# Allegro board 8880F5-0823_RXTX.brd (continued)
## Routing (per net, layer and track width the routed paths; a pad name or vN(x,y) marks a point on that pad's centre or on a via; arc(x,y) is an arc through that point) (continued)
 ; D118.B9 180.34,77.93 ; D118.B9 179.53,78.74 ; D118.B9 181.15,78.74 ; 322.58,37.29 D104.B7 ; D104.B7 321.77,38.1 ; D104.B7 323.39,38.1 ; 401.32,370.03 D111.B9 ; D111.B9 400.51,370.84 ; D111.B9 402.13,370.84 ; D111.B9 401.32,371.65 ; 324.41,91.44 D301.B8 ; D301.B8 325.12,92.15 ; D301.B8 325.12,90.73 ; D301.B8 325.83,91.44 ; D112.B16 384.35,388.62 ; D112.B16 383.54,387.81 ; D112.B16 382.73,388.62 ; D112.B16 383.54,389.43 ; 90.63,38.1 D132.B3 ; D132.B3 91.44,38.91 ; D132.B3 91.44,37.29 ; D132.B3 92.25,38.1 ; 385.27,38.1 D108.B3 ; D108.B3 386.08,37.29 ; D108.B3 386.08,38.91 ; D108.B3 386.89,38.1 ; 380.19,78.74 D106.B1 ; D106.B1 381,79.55 ; D106.B1 381.81,78.74 ; D106.B1 381,77.93 ; D306.B10 403.86,71.83 ; D306.B10 404.57,71.12 ; D306.B10 403.86,70.41 ; D306.B10 403.15,71.12 ; 160.02,380.19 D431.B17 ; D431.B17 159.21,381 ; D431.B17 160.83,381 ; D431.B17 160.02,381.81 ; D109.A13 391.97,335.28 ; D109.A13 390.35,335.28 ; D109.A13 391.16,334.47 ; D109.A13 391.16,336.09 ; 32.21,99.06 D125.B9 ; D125.B9 33.02,98.25 ; D125.B9 33.83,99.06 ; D125.B9 33.02,99.87 ; 249.33,240.85 SITE1.G2 ; SITE1.G2 249.33,241.81 ; SITE1.G2 248.85,241.33 ; SITE1.G2 249.81,241.33 ; 187.96,90.73 D317.B12 ; D317.B12 188.67,91.44 ; D317.B12 187.96,92.15 ; D317.B12 187.25,91.44 ; 342.09,370.84 D115.B3 ; D115.B3 342.9,370.03 ; D115.B3 343.71,370.84 ; D115.B3 342.9,371.65 ; 415.75,73.66 D106.A15 ; D106.A15 416.56,74.47 ; D106.A15 417.37,73.66 ; 392.89,332.74 D109.A12 ; D109.A12 394.51,332.74 ; D109.A12 393.7,333.55 ; D109.A12 393.7,331.93 ; 337.82,72.85 D102.A13 ; D102.A13 337.01,73.66 ; D102.A13 337.82,74.47 ; D102.A13 338.63,73.66 ; D126.A8 31.29,76.2 ; D126.A8 30.48,77.01 ; D126.A8 30.48,75.39 ; D126.A8 29.67,76.2 ; 177.09,66.04 D318.A8 ; D318.A8 178.51,66.04 ; D318.A8 177.8,65.33 ; D318.A8 177.8,66.75 ; 327.66,77.93 D102.B9 ; D102.B9 328.47,78.74 ; D102.B9 327.66,79.55 ; D102.B9 326.85,78.74 ; 401.32,62.79 D306.A9 ; D306.A9 400.61,63.5 ; D306.A9 402.03,63.5 ; D306.A9 401.32,64.21 ; D129.A3 91.44,94.79 ; D129.A3 92.25,93.98 ; D129.A3 91.44,93.17 ; D129.A3 90.63,93.98 ; D321.A7 248.92,84.53 ; D321.A7 248.92,83.11 ; D321.A7 248.21,83.82 ; D321.A7 249.63,83.82 ; D305.B12 409.65,91.44 ; D305.B12 408.23,91.44 ; D305.B12 408.94,90.73 ; 232.97,63.5 D322.A1 ; D322.A1 233.68,64.21 ; D322.A1 234.39,63.5 ; D321.A5 244.55,83.82 ; D321.A5 243.84,83.11 ; D321.A5 243.13,83.82 ; D321.A5 243.84,84.53 ; D118.B1 160.83,78.74 ; D118.B1 160.02,77.93 ; D118.B1 159.21,78.74 ; D118.B1 160.02,79.55 ; D122.B6 247.19,81.28 ; D122.B6 246.38,80.47 ; D122.B6 245.57,81.28 ; D122.B6 246.38,82.09 ; 271.78,90.73 D321.B16 ; D321.B16 271.07,91.44 ; D321.B16 271.78,92.15 ; D321.B16 272.49,91.44 ; 319.23,35.56 D104.A6 ; D104.A6 320.04,34.75 ; D104.A6 320.85,35.56 ; D104.A6 320.04,36.37 ; DPS8.C15 165.91,410.21 ; DPS8.C15 165.1,411.02 ; DPS8.C15 165.1,409.4 ; DPS8.C15 164.29,410.21 ; D301.B12 335.99,91.44 ; D301.B12 335.28,90.73 ; D301.B12 334.57,91.44 ; D301.B12 335.28,92.15 ; 319.23,353.06 D114.A12 ; D114.A12 320.85,353.06 ; D114.A12 320.04,352.25 ; D114.A12 320.04,353.87 ; D115.B2 346.25,368.3 ; D115.B2 345.44,369.11 ; D115.B2 344.63,368.3 ; D115.B2 345.44,367.49 ; D112.A7 406.4,397.05 ; D112.A7 407.21,396.24 ; D112.A7 405.59,396.24 ; D112.A7 406.4,395.43 ; 124.46,34.75 D132.A16 ; D132.A16 123.65,35.56 ; D132.A16 125.27,35.56 ; D132.A16 124.46,36.37 ; D120.A16 198.93,35.56 ; D120.A16 197.31,35.56 ; D120.A16 198.12,36.37 ; D120.A16 198.12,34.75 ; D127.B10 35.56,61.77 ; D127.B10 34.75,60.96 ; D127.B10 36.37,60.96 ; D127.B10 35.56,60.15 ; D124.A3 239.57,33.02 ; D124.A3 238.76,32.21 ; D124.A3 238.76,33.83 ; D124.A3 237.95,33.02 ; D125.A14 45.72,97.33 ; D125.A14 44.91,96.52 ; D125.A14 45.72,95.71 ; D125.A14 46.53,96.52 ; 340.36,331.93 D113.A4 ; D113.A4 340.36,333.55 ; D113.A4 341.17,332.74 ; D113.A4 339.55,332.74 ; 416.56,67.87 D306.B15 ; D306.B15 417.27,68.58 ; D306.B15 415.85,68.58 ; D306.B15 416.56,69.29 ; D129.B6 99.06,102.41 ; D129.B6 99.06,100.79 ; D129.B6 99.87,101.6 ; D129.B6 98.25,101.6 ; 419.1,60.15 D107.B16 ; D107.B16 419.91,60.96 ; D107.B16 418.29,60.96 ; 335.28,331.93 D113.A6 ; D113.A6 334.47,332.74 ; D113.A6 335.28,333.55 ; D113.A6 336.09,332.74 ; 124.46,75.39 D130.A16 ; D130.A16 125.27,76.2 ; D130.A16 123.65,76.2 ; D130.A16 124.46,77.01 ; D110.A9 401.32,356.41 ; D110.A9 401.32,354.79 ; D110.A9 400.51,355.6 ; D110.A9 402.13,355.6 ; 337.11,68.58 D302.B13 ; D302.B13 337.82,67.87 ; D302.B13 338.53,68.58 ; D302.B13 337.82,69.29 ; D127.B16 50.8,61.77 ; D127.B16 49.99,60.96 ; D127.B16 50.8,60.15 ; D127.B16 51.61,60.96 ; D112.B5 411.48,391.97 ; D112.B5 411.48,390.35 ; D112.B5 412.29,391.16 ; D112.B5 410.67,391.16 ; 25.4,75.39 D126.A6 ; D126.A6 26.21,76.2 ; D126.A6 24.59,76.2 ; D126.A6 25.4,77.01 ; 307.34,77.93 D102.B1 ; D102.B1 307.34,79.55 ; D102.B1 306.53,78.74 ; D102.B1 308.15,78.74 ; 330.95,186.43 SITE4.G19 ; SITE4.G19 331.43,186.91 ; SITE4.G19 331.91,186.43 ; SITE4.G19 331.43,185.95 ; D104.A8 325.93,35.56 ; D104.A8 325.12,34.75 ; D104.A8 324.31,35.56 ; D104.A8 325.12,36.37 ; 24.59,55.88 D127.A6 ; D127.A6 25.4,56.69 ; D127.A6 26.21,55.88 ; D127.A6 25.4,55.07 ; 406.4,375.11 D111.A7 ; D111.A7 406.4,376.73 ; D111.A7 405.59,375.92 ; D111.A7 407.21,375.92 ; D128.B2 16.05,40.64 ; D128.B2 15.24,39.83 ; D128.B2 15.24,41.45 ; D128.B2 14.43,40.64 ; CSDPS425.B6 262.43,342.9 ; CSDPS425.B6 261.62,342.09 ; CSDPS425.B6 261.62,343.71 ; CSDPS425.B6 260.81,342.9 ; 391.16,52.53 D107.A5 ; D107.A5 391.16,54.15 ; D107.A5 390.35,53.34 ; D107.A5 391.97,53.34 ; 42.37,53.34 D127.A13 ; D127.A13 43.18,52.53 ; D127.A13 43.18,54.15 ; D127.A13 43.99,53.34 ; 400.61,68.58 D306.B9 ; D306.B9 401.32,69.29 ; D306.B9 402.03,68.58 ; D306.B9 401.32,67.87 ; 159.31,83.82 D317.A1 ; D317.A1 160.73,83.82 ; D317.A1 160.02,84.53 ; D317.A1 160.02,83.11 ; 250.75,91.44 D321.B8 ; D321.B8 251.46,90.73 ; D321.B8 252.17,91.44 ; D321.B8 251.46,92.15 ; D108.B8 398.78,41.45 ; D108.B8 397.97,40.64 ; D108.B8 399.59,40.64 ; D108.B8 398.78,39.83 ; 387.81,76.2 D106.A4 ; D106.A4 389.43,76.2 ; D106.A4 388.62,77.01 ; D106.A4 388.62,75.39 ; D318.B15 196.29,68.58 ; D318.B15 195.58,69.29 ; D318.B15 194.87,68.58 ; D318.B15 195.58,67.87 ; 380.29,63.5 D306.A1 ; D306.A1 381.71,63.5 ; D306.A1 381,64.21 ; DPS2.A01 348.79,415.29 ; DPS2.A01 347.98,414.48 ; DPS2.A01 347.17,415.29 ; DPS2.A01 347.98,416.1 ; 175.26,370.03 D231.B11 ; D231.B11 175.26,371.65 ; D231.B11 176.07,370.84 ; D231.B11 174.45,370.84 ; DPS1.C15 417.37,19.05 ; DPS1.C15 416.56,19.86 ; DPS1.C15 416.56,18.24 ; DPS1.C15 415.75,19.05 ; 325.12,331.93 D113.A10 ; D113.A10 325.12,333.55 ; D113.A10 325.93,332.74 ; D113.A10 324.31,332.74 ; 333.33,247.45 SITE2.G12 ; SITE2.G12 332.85,247.93 ; SITE2.G12 333.33,248.41 ; SITE2.G12 333.81,247.93 ; D109.A5 412.29,335.28 ; D109.A5 411.48,334.47 ; D109.A5 411.48,336.09 ; D109.A5 410.67,335.28 ; D124.B4 241.3,41.45 ; D124.B4 241.3,39.83 ; D124.B4 240.49,40.64 ; D124.B4 242.11,40.64 ; 311.61,415.29 DPS2.A15 ; DPS2.A15 312.42,416.1 ; DPS2.A15 312.42,414.48 ; DPS2.A15 313.23,415.29 ; 331.93,335.28 D113.A7 ; D113.A7 332.74,334.47 ; D113.A7 332.74,336.09 ; D113.A7 333.55,335.28 ; D107.B14 414.02,61.77 ; D107.B14 413.21,60.96 ; D107.B14 414.02,60.15 ; D107.B14 414.83,60.96 ; D317.B3 165.1,89.61 ; D317.B3 164.39,88.9 ; D317.B3 165.1,88.19 ; D317.B3 165.81,88.9 ; 169.47,68.58 D318.B5 ; D318.B5 170.18,67.87 ; D318.B5 170.18,69.29 ; D318.B5 170.89,68.58 ; D110.B7 406.4,351.33 ; D110.B7 406.4,349.71 ; D110.B7 407.21,350.52 ; D110.B7 405.59,350.52 ; D129.B7 101.6,99.87 ; D129.B7 102.41,99.06 ; D129.B7 100.79,99.06 ; D129.B7 101.6,98.25 ; 182.07,342.9 CSDPS429.B8 ; CSDPS429.B8 183.69,342.9 ; CSDPS429.B8 182.88,343.71 ; CSDPS429.B8 182.88,342.09 ; D120.A7 175.26,33.83 ; D120.A7 175.26,32.21 ; D120.A7 174.45,33.02 ; D120.A7 176.07,33.02 ; CSDPS425.B10 252.27,342.9 ; CSDPS425.B10 250.65,342.9 ; CSDPS425.B10 251.46,343.71 ; CSDPS425.B10 251.46,342.09 ; 184.61,38.1 D120.B11 ; D120.B11 185.42,38.91 ; D120.B11 185.42,37.29 ; D120.B11 186.23,38.1 ; 99.06,39.83 D132.B6 ; D132.B6 99.87,40.64 ; D132.B6 99.06,41.45 ; D132.B6 98.25,40.64 ; 335.28,70.41 D302.B12 ; D302.B12 334.57,71.12 ; D302.B12 335.99,71.12 ; D302.B12 335.28,71.83 ; D128.B14 45.72,41.45 ; D128.B14 45.72,39.83 ; D128.B14 44.91,40.64 ; D128.B14 46.53,40.64 ; D128.A14 46.53,35.56 ; D128.A14 45.72,34.75 ; D128.A14 44.91,35.56 ; D128.A14 45.72,36.37 ; 246.38,34.75 D124.A6 ; D124.A6 245.57,35.56 ; D124.A6 247.19,35.56 ; D124.A6 246.38,36.37 ; 331.93,355.6 D114.A7 ; D114.A7 332.74,356.41 ; D114.A7 333.55,355.6 ; D114.A7 332.74,354.79 ; 342.09,38.1 D104.B15 ; D104.B15 343.71,38.1 ; D104.B15 342.9,37.29 ; D431.B16 162.56,379.27 ; D431.B16 161.75,378.46 ; D431.B16 162.56,377.65 ; D431.B16 163.37,378.46 ; D129.A15 122.73,93.98 ; D129.A15 121.92,93.17 ; D129.A15 121.92,94.79 ; D129.A15 121.11,93.98 ; 387.91,71.12 D306.B4 ; D306.B4 389.33,71.12 ; D306.B4 388.62,70.41 ; SITE4.G4 331.33,181.81 ; SITE4.G4 330.85,181.33 ; SITE4.G4 331.81,181.33 ; SITE4.G4 331.33,180.85 ; 337.01,33.02 D104.A13 ; D104.A13 338.63,33.02 ; D104.A13 337.82,32.21 ; D104.A13 337.82,33.83 ; 397.97,327.66 D109.B10 ; D109.B10 398.78,328.47 ; D109.B10 398.78,326.85 ; D109.B10 399.59,327.66 ; 123.65,81.28 D130.B16 ; D130.B16 124.46,82.09 ; D130.B16 125.27,81.28 ; D130.B16 124.46,80.47 ; 330.2,352.25 D114.A8 ; D114.A8 329.39,353.06 ; D114.A8 331.01,353.06 ; D114.A8 330.2,353.87 ; S4_I2C.4 518.92,204.39 ; S4_I2C.4 518.92,202.51 ; S4_I2C.4 519.86,203.45 ; S4_I2C.4 517.98,203.45 ; 410.67,375.92 D111.A5 ; D111.A5 411.48,376.73 ; D111.A5 412.29,375.92 ; D111.A5 411.48,375.11 ; D305.B13 411.48,89.61 ; D305.B13 410.77,88.9 ; D305.B13 411.48,88.19 ; D305.B13 412.19,88.9 ; D115.A8 331.01,373.38 ; D115.A8 329.39,373.38 ; D115.A8 330.2,374.19 ; D115.A8 330.2,372.57 ; D109.A1 422.45,335.28 ; D109.A1 420.83,335.28 ; D109.A1 421.64,334.47 ; D109.A1 421.64,336.09 ; D103.A9 327.66,54.15 ; D103.A9 328.47,53.34 ; D103.A9 326.85,53.34 ; D103.A9 327.66,52.53 ; D115.B14 314.96,369.11 ; D115.B14 314.96,367.49 ; D115.B14 314.15,368.3 ; D115.B14 315.77,368.3 ; D104.A16 346.25,35.56 ; D104.A16 345.44,36.37 ; D104.A16 345.44,34.75 ; D104.A16 344.63,35.56 ; 319.23,81.28 D102.B6 ; D102.B6 320.04,80.47 ; D102.B6 320.04,82.09 ; D102.B6 320.85,81.28 ; D118.A3 165.91,73.66 ; D118.A3 164.29,73.66 ; D118.A3 165.1,72.85 ; D118.A3 165.1,74.47 ; 195.58,57.61 D119.B15 ; D119.B15 195.58,59.23 ; D119.B15 196.39,58.42 ; D119.B15 194.77,58.42 ; 312.42,370.03 D115.B15 ; D115.B15 311.61,370.84 ; D115.B15 313.23,370.84 ; D115.B15 312.42,371.65 ; 187.15,373.38 D231.A6 ; D231.A6 187.96,374.19 ; D231.A6 188.77,373.38 ; D231.A6 187.96,372.57 ; D322.A15 269.24,64.21 ; D322.A15 269.95,63.5 ; D322.A15 268.53,63.5 ; D322.A15 269.24,62.79 ; 88.9,60.15 D131.B2 ; D131.B2 88.09,60.96 ; D131.B2 88.9,61.77 ; D131.B2 89.71,60.96 ; D107.A7 396.24,54.15 ; D107.A7 395.43,53.34 ; D107.A7 396.24,52.53 ; D107.A7 397.05,53.34 ; 179.63,83.82 D317.A9 ; D317.A9 180.34,83.11 ; D317.A9 181.05,83.82 ; D317.A9 180.34,84.53 ; D111.A12 394.51,373.38 ; D111.A12 392.89,373.38 ; D111.A12 393.7,374.19 ; D111.A12 393.7,372.57 ; 397.97,332.74 D109.A10 ; D109.A10 398.78,331.93 ; D109.A10 399.59,332.74 ; D109.A10 398.78,333.55 ; D106.B10 404.67,81.28 ; D106.B10 403.86,80.47 ; D106.B10 403.05,81.28 ; D106.B10 403.86,82.09 ; 20.32,75.39 D126.A4 ; D126.A4 21.13,76.2 ; D126.A4 20.32,77.01 ; D126.A4 19.51,76.2 ; 406.4,57.61 D107.B11 ; D107.B11 406.4,59.23 ; D107.B11 407.21,58.42 ; D107.B11 405.59,58.42 ; 95.71,93.98 D129.A5 ; D129.A5 97.33,93.98 ; D129.A5 96.52,93.17 ; D129.A5 96.52,94.79 ; 322.58,32.21 D104.A7 ; D104.A7 323.39,33.02 ; D104.A7 321.77,33.02 ; D104.A7 322.58,33.83 ; D120.B4 167.64,41.45 ; D120.B4 168.45,40.64 ; D120.B4 167.64,39.83 ; D120.B4 166.83,40.64 ; D120.A1 160.02,33.83 ; D120.A1 160.02,32.21 ; D120.A1 160.83,33.02 ; D120.A1 159.21,33.02 ; D431.A1 200.66,386.89 ; D431.A1 201.47,386.08 ; D431.A1 200.66,385.27 ; D431.A1 199.85,386.08 ; 119.38,34.75 D132.A14 ; D132.A14 120.19,35.56 ; D132.A14 118.57,35.56 ; D132.A14 119.38,36.37 ; D122.A9 254.81,73.66 ; D122.A9 253.19,73.66 ; D122.A9 254,72.85 ; D122.A9 254,74.47 ; SITE4.G20 332.63,186.91 ; SITE4.G20 332.63,185.95 ; SITE4.G20 333.11,186.43 ; SITE4.G20 332.15,186.43 ; D103.A12 335.28,56.69 ; D103.A12 336.09,55.88 ; D103.A12 335.28,55.07 ; D103.A12 334.47,55.88 ; 249.85,241.33 SITE1.G3 ; SITE1.G3 250.33,241.81 ; SITE1.G3 250.33,240.85 ; SITE1.G3 250.81,241.33 ; 162.56,382.73 D431.A16 ; D431.A16 161.75,383.54 ; D431.A16 162.56,384.35 ; D431.A16 163.37,383.54 ; 180.34,375.11 D231.A9 ; D231.A9 179.53,375.92 ; D231.A9 181.15,375.92 ; D231.A9 180.34,376.73 ; 408.13,40.64 D108.B12 ; D108.B12 408.94,39.83 ; D108.B12 409.75,40.64 ; D108.B12 408.94,41.45 ; SITE2.G14 330.71,242.83 ; SITE2.G14 330.23,242.35 ; SITE2.G14 329.75,242.83 ; SITE2.G14 330.23,243.31 ; 166.93,71.12 D318.B4 ; D318.B4 167.64,70.41 ; D318.B4 168.35,71.12 ; D318.B4 167.64,71.83 ; D318.A5 170.18,64.21 ; D318.A5 170.89,63.5 ; D318.A5 169.47,63.5 ; D113.B12 320.04,328.47 ; D113.B12 320.85,327.66 ; D113.B12 319.23,327.66 ; D113.B12 320.04,326.85 ; 326.95,83.82 D301.A9 ; D301.A9 327.66,84.53 ; D301.A9 328.37,83.82 ; D301.A9 327.66,83.11 ; SITE2.G19 331.43,246.91 ; SITE2.G19 331.43,245.95 ; SITE2.G19 330.95,246.43 ; SITE2.G19 331.91,246.43 ; 232.97,83.82 D321.A1 ; D321.A1 234.39,83.82 ; D321.A1 233.68,83.11 ; D321.A1 233.68,84.53 ; 307.34,52.53 D103.A1 ; D103.A1 308.15,53.34 ; D103.A1 307.34,54.15 ; D103.A1 306.53,53.34 ; 398.07,91.44 D305.B8 ; D305.B8 398.78,90.73 ; D305.B8 399.49,91.44 ; D122.B3 239.57,78.74 ; D122.B3 238.76,77.93 ; D122.B3 238.76,79.55 ; D122.B3 237.95,78.74 ; 263.35,33.02 D124.A13 ; D124.A13 264.97,33.02 ; D124.A13 264.16,33.83 ; D124.A13 264.16,32.21 ; 182.88,39.83 D120.B10 ; D120.B10 183.69,40.64 ; D120.B10 182.88,41.45 ; D120.B10 182.07,40.64 ; D123.B10 256.54,61.77 ; D123.B10 255.73,60.96 ; D123.B10 257.35,60.96 ; D123.B10 256.54,60.15 ; 113.49,81.28 D130.B12 ; D130.B12 114.3,80.47 ; D130.B12 114.3,82.09 ; D130.B12 115.11,81.28 ; D113.A8 330.2,333.55 ; D113.A8 329.39,332.74 ; D113.A8 330.2,331.93 ; D113.A8 331.01,332.74 ; D115.A11 322.58,376.73 ; D115.A11 321.77,375.92 ; D115.A11 322.58,375.11 ; D115.A11 323.39,375.92 ; 116.84,93.17 D129.A13 ; D129.A13 116.03,93.98 ; D129.A13 117.65,93.98 ; D129.A13 116.84,94.79 ; 37.29,99.06 D125.B11 ; D125.B11 38.91,99.06 ; D125.B11 38.1,98.25 ; D125.B11 38.1,99.87 ; 232.87,78.74 D122.B1 ; D122.B1 233.68,79.55 ; D122.B1 233.68,77.93 ; D122.B1 234.49,78.74 ; D109.B16 384.35,327.66 ; D109.B16 383.54,326.85 ; D109.B16 383.54,328.47 ; D109.B16 382.73,327.66 ; 330.2,90.73 D301.B10 ; D301.B10 330.2,92.15 ; D301.B10 329.49,91.44 ; D301.B10 330.91,91.44 ; 327.66,349.71 D114.B9 ; D114.B9 326.85,350.52 ; D114.B9 327.66,351.33 ; D114.B9 328.47,350.52 ; D123.A13 264.16,54.15 ; D123.A13 264.16,52.53 ; D123.A13 264.97,53.34 ; D123.A13 263.35,53.34 ; D119.A14 193.04,56.69 ; D119.A14 192.23,55.88 ; D119.A14 193.04,55.07 ; D119.A14 193.85,55.88 ; D110.A5 411.48,356.41 ; D110.A5 411.48,354.79 ; D110.A5 410.67,355.6 ; D110.A5 412.29,355.6 ; 269.24,72.85 D122.A15 ; D122.A15 268.43,73.66 ; D122.A15 269.24,74.47 ; D122.A15 270.05,73.66 ; SITE2.G18 330.71,246.43 ; SITE2.G18 330.23,246.91 ; SITE2.G18 329.75,246.43 ; SITE2.G18 330.23,245.95 ; 34.75,81.28 D126.B10 ; D126.B10 36.37,81.28 ; D126.B10 35.56,80.47 ; D126.B10 35.56,82.09 ; D128.B8 30.48,41.45 ; D128.B8 31.29,40.64 ; D128.B8 29.67,40.64 ; D128.B8 30.48,39.83 ; 329.33,187.45 SITE4.G8 ; SITE4.G8 328.85,187.93 ; SITE4.G8 329.33,188.41 ; SITE4.G8 329.81,187.93 ; D129.B1 87.17,99.06 ; D129.B1 86.36,99.87 ; D129.B1 86.36,98.25 ; D129.B1 85.55,99.06 ; 266.7,90.73 D321.B14 ; D321.B14 265.99,91.44 ; D321.B14 267.41,91.44 ; D321.B14 266.7,92.15 ; 166.83,76.2 D118.A4 ; D118.A4 167.64,75.39 ; D118.A4 168.45,76.2 ; D118.A4 167.64,77.01 ; 400.51,350.52 D110.B9 ; D110.B9 402.13,350.52 ; D110.B9 401.32,349.71 ; D110.B9 401.32,351.33 ; 90.63,53.34 D131.A3 ; D131.A3 91.44,52.53 ; D131.A3 92.25,53.34 ; D131.A3 91.44,54.15 ; 93.98,39.83 D132.B4 ; D132.B4 93.98,41.45 ; D132.B4 93.17,40.64 ; D132.B4 94.79,40.64 ; 167.64,65.33 D318.A4 ; D318.A4 167.64,66.75 ; D318.A4 166.93,66.04 ; D318.A4 168.35,66.04 ; 309.88,70.41 D302.B2 ; D302.B2 309.88,71.83 ; D302.B2 309.17,71.12 ; D302.B2 310.59,71.12 ; DPS2.C15 313.23,410.21 ; DPS2.C15 312.42,411.02 ; DPS2.C15 311.61,410.21 ; DPS2.C15 312.42,409.4 ; D130.A13 117.65,73.66 ; D130.A13 116.84,74.47 ; D130.A13 116.03,73.66 ; D130.A13 116.84,72.85 ; 29.67,96.52 D125.A8 ; D125.A8 31.29,96.52 ; D125.A8 30.48,97.33 ; D125.A8 30.48,95.71 ; D124.A14 266.7,36.37 ; D124.A14 267.51,35.56 ; D124.A14 266.7,34.75 ; D124.A14 265.89,35.56 ; D125.B8 31.29,101.6 ; D125.B8 30.48,102.41 ; D125.B8 30.48,100.79 ; D125.B8 29.67,101.6 ; 385.27,330.2 D109.B15 ; D109.B15 386.08,331.01 ; D109.B15 386.08,329.39 ; D109.B15 386.89,330.2 ; D305.A15 416.56,84.53 ; D305.A15 417.27,83.82 ; D305.A15 416.56,83.11 ; D305.A15 415.85,83.82 ; 177.8,60.15 D119.B8 ; D119.B8 178.61,60.96 ; D119.B8 176.99,60.96 ; D119.B8 177.8,61.77 ; 335.28,65.33 D302.A12 ; D302.A12 335.99,66.04 ; D302.A12 334.57,66.04 ; D302.A12 335.28,66.75 ; D112.A11 397.05,396.24 ; D112.A11 396.24,397.05 ; D112.A11 396.24,395.43 ; D112.A11 395.43,396.24 ; D126.A3 18.59,73.66 ; D126.A3 17.78,74.47 ; D126.A3 17.78,72.85 ; D126.A3 16.97,73.66 ; D130.B1 87.17,78.74 ; D130.B1 86.36,79.55 ; D130.B1 86.36,77.93 ; D130.B1 85.55,78.74 ; D109.B12 394.51,327.66 ; D109.B12 393.7,328.47 ; D109.B12 392.89,327.66 ; D109.B12 393.7,326.85 ; D123.A7 248.92,54.15 ; D123.A7 248.11,53.34 ; D123.A7 249.73,53.34 ; D123.A7 248.92,52.53 ; 401.32,72.85 D106.A9 ; D106.A9 401.32,74.47 ; D106.A9 402.13,73.66 ; D106.A9 400.51,73.66 ; 16.97,53.34 D127.A3 ; D127.A3 17.78,52.53 ; D127.A3 17.78,54.15 ; D127.A3 18.59,53.34 ; 192.23,60.96 D119.B14 ; D119.B14 193.04,61.77 ; D119.B14 193.85,60.96 ; D119.B14 193.04,60.15 ; D102.A1 307.34,74.47 ; D102.A1 306.53,73.66 ; D102.A1 308.15,73.66 ; D102.A1 307.34,72.85 ; D305.A9 401.32,84.53 ; D305.A9 401.32,83.11 ; D305.A9 402.03,83.82 ; D305.A9 400.61,83.82 ; D130.A12 115.11,76.2 ; D130.A12 114.3,77.01 ; D130.A12 114.3,75.39 ; D130.A12 113.49,76.2 ; 331.93,350.52 D114.B7 ; D114.B7 332.74,351.33 ; D114.B7 333.55,350.52 ; D114.B7 332.74,349.71 ; 254,88.19 D321.B9 ; D321.B9 253.29,88.9 ; D321.B9 254.71,88.9 ; D321.B9 254,89.61 ; 93.98,60.15 D131.B4 ; D131.B4 93.17,60.96 ; D131.B4 94.79,60.96 ; D131.B4 93.98,61.77 ; CSDPS225.B14 241.3,333.55 ; CSDPS225.B14 240.49,332.74 ; CSDPS225.B14 241.3,331.93 ; CSDPS225.B14 242.11,332.74 ; 187.15,378.46 D431.B6 ; D431.B6 187.96,379.27 ; D431.B6 188.77,378.46 ; D431.B6 187.96,377.65 ; D318.A6 173.43,66.04 ; D318.A6 172.72,65.33 ; D318.A6 172.72,66.75 ; D318.A6 172.01,66.04 ; 413.31,66.04 D306.A14 ; D306.A14 414.73,66.04 ; D306.A14 414.02,65.33 ; D306.A14 414.02,66.75 ; 33.02,52.53 D127.A9 ; D127.A9 33.83,53.34 ; D127.A9 32.21,53.34 ; D127.A9 33.02,54.15 ; D116.A7 333.55,396.24 ; D116.A7 332.74,397.05 ; D116.A7 331.93,396.24 ; D116.A7 332.74,395.43 ; D302.A13 338.53,63.5 ; D302.A13 337.82,64.21 ; D302.A13 337.11,63.5 ; 334.47,373.38 D115.A6 ; D115.A6 335.28,372.57 ; D115.A6 336.09,373.38 ; D115.A6 335.28,374.19 ; DPS2.A11 322.58,416.1 ; DPS2.A11 322.58,414.48 ; DPS2.A11 321.77,415.29 ; DPS2.A11 323.39,415.29 ; 393.7,387.81 D112.B12 ; D112.B12 394.51,388.62 ; D112.B12 392.89,388.62 ; D112.B12 393.7,389.43 ; 104.14,34.75 D132.A8 ; D132.A8 104.95,35.56 ; D132.A8 104.14,36.37 ; D132.A8 103.33,35.56 ; D125.A10 35.56,97.33 ; D125.A10 34.75,96.52 ; D125.A10 36.37,96.52 ; D125.A10 35.56,95.71 ; 35.56,100.79 D125.B10 ; D125.B10 34.75,101.6 ; D125.B10 36.37,101.6 ; D125.B10 35.56,102.41 ; CSDPS429.C7 185.42,341.17 ; CSDPS429.C7 186.23,340.36 ; CSDPS429.C7 185.42,339.55 ; CSDPS429.C7 184.61,340.36 ; 252.15,186.43 SITE3.G20 ; SITE3.G20 252.63,185.95 ; SITE3.G20 253.11,186.43 ; SITE3.G20 252.63,186.91 ; 250.95,242.83 SITE1.G15 ; SITE1.G15 251.43,242.35 ; SITE1.G15 251.43,243.31 ; SITE1.G15 251.91,242.83 ; 179.53,73.66 D118.A9 ; D118.A9 180.34,72.85 ; D118.A9 181.15,73.66 ; D118.A9 180.34,74.47 ; SITE2.G1 328.33,241.81 ; SITE2.G1 327.85,241.33 ; SITE2.G1 328.33,240.85 ; SITE2.G1 328.81,241.33 ; D317.B5 170.18,89.61 ; D317.B5 170.18,88.19 ; D317.B5 169.47,88.9 ; D317.B5 170.89,88.9 ; 182.07,76.2 D118.A10 ; D118.A10 183.69,76.2 ; D118.A10 182.88,75.39 ; D118.A10 182.88,77.01 ; 32.21,78.74 D126.B9 ; D126.B9 33.83,78.74 ; D126.B9 33.02,79.55 ; D126.B9 33.02,77.93 ; 185.42,385.27 D431.A7 ; D431.A7 185.42,386.89 ; D431.A7 184.61,386.08 ; D431.A7 186.23,386.08 ; D322.A10 256.54,66.75 ; D322.A10 255.83,66.04 ; D322.A10 256.54,65.33 ; D322.A10 257.25,66.04 ; D119.A8 177.8,56.69 ; D119.A8 178.61,55.88 ; D119.A8 177.8,55.07 ; D119.A8 176.99,55.88 ; D118.B6 172.72,82.09 ; D118.B6 173.53,81.28 ; D118.B6 172.72,80.47 ; D118.B6 171.91,81.28 ; D128.B4 21.13,40.64 ; D128.B4 20.32,39.83 ; D128.B4 19.51,40.64 ; D128.B4 20.32,41.45 ; 327.66,72.85 D102.A9 ; D102.A9 326.85,73.66 ; D102.A9 327.66,74.47 ; D102.A9 328.47,73.66 ; D318.B9 181.05,68.58 ; D318.B9 180.34,67.87 ; D318.B9 179.63,68.58 ; D318.B9 180.34,69.29 ; 408.13,347.98 D110.B6 ; D110.B6 409.75,347.98 ; D110.B6 408.94,347.17 ; D110.B6 408.94,348.79 ; D108.A11 406.4,33.83 ; D108.A11 406.4,32.21 ; D108.A11 405.59,33.02 ; D108.A11 407.21,33.02 ; 174.55,88.9 D317.B7 ; D317.B7 175.26,88.19 ; D317.B7 175.97,88.9 ; D317.B7 175.26,89.61 ; 250.85,241.33 SITE1.G4 ; SITE1.G4 251.33,240.85 ; SITE1.G4 251.33,241.81 ; SITE1.G4 251.81,241.33 ; D131.A2 89.71,55.88 ; D131.A2 88.9,55.07 ; D131.A2 88.9,56.69 ; D131.A2 88.09,55.88 ; 408.94,367.49 D111.B6 ; D111.B6 408.13,368.3 ; D111.B6 409.75,368.3 ; D111.B6 408.94,369.11 ; 164.29,375.92 D231.A15 ; D231.A15 165.91,375.92 ; D231.A15 165.1,375.11 ; D231.A15 165.1,376.73 ; D317.A10 182.88,87.07 ; D317.A10 182.88,85.65 ; D317.A10 183.59,86.36 ; D317.A10 182.17,86.36 ; 49.99,76.2 D126.A16 ; D126.A16 50.8,77.01 ; D126.A16 51.61,76.2 ; D126.A16 50.8,75.39 ; 177.8,377.65 D431.B10 ; D431.B10 178.61,378.46 ; D431.B10 177.8,379.27 ; D431.B10 176.99,378.46 ; 392.89,368.3 D111.B12 ; D111.B12 393.7,369.11 ; D111.B12 393.7,367.49 ; D111.B12 394.51,368.3 ; 383.54,85.65 D305.A2 ; D305.A2 382.83,86.36 ; D305.A2 384.25,86.36 ; D305.A2 383.54,87.07 ; 24.59,60.96 D127.B6 ; D127.B6 25.4,60.15 ; D127.B6 25.4,61.77 ; D127.B6 26.21,60.96 ; D109.B9 402.13,330.2 ; D109.B9 401.32,329.39 ; D109.B9 401.32,331.01 ; D109.B9 400.51,330.2 ; D119.B13 190.5,59.23 ; D119.B13 190.5,57.61 ; D119.B13 191.31,58.42 ; D119.B13 189.69,58.42 ; D301.A1 307.34,84.53 ; D301.A1 308.05,83.82 ; D301.A1 307.34,83.11 ; D301.A1 306.63,83.82 ; 385.37,68.58 D306.B3 ; D306.B3 386.79,68.58 ; D306.B3 386.08,67.87 ; D306.B3 386.08,69.29 ; 192.23,81.28 D118.B14 ; D118.B14 193.04,80.47 ; D118.B14 193.85,81.28 ; D118.B14 193.04,82.09 ; 415.75,335.28 D109.A3 ; D109.A3 416.56,334.47 ; D109.A3 416.56,336.09 ; DPS8.C05 190.5,411.02 ; DPS8.C05 191.31,410.21 ; DPS8.C05 190.5,409.4 ; DPS8.C05 189.69,410.21 ; D119.A2 162.56,56.69 ; D119.A2 162.56,55.07 ; D119.A2 161.75,55.88 ; D119.A2 163.37,55.88 ; 319.23,388.62 D116.B12 ; D116.B12 320.04,387.81 ; D116.B12 320.85,388.62 ; D116.B12 320.04,389.43 ; 98.25,55.88 D131.A6 ; D131.A6 99.06,55.07 ; D131.A6 99.87,55.88 ; D131.A6 99.06,56.69 ; D132.A2 89.71,35.56 ; D132.A2 88.09,35.56 ; D132.A2 88.9,36.37 ; D132.A2 88.9,34.75 ; 174.45,340.36 CSDPS429.C11 ; CSDPS429.C11 175.26,339.55 ; CSDPS429.C11 176.07,340.36 ; CSDPS429.C11 175.26,341.17 ; D126.A9 33.83,73.66 ; D126.A9 33.02,74.47 ; D126.A9 32.21,73.66 ; D126.A9 33.02,72.85 ; 415.75,391.16 D112.B3 ; D112.B3 416.56,391.97 ; D112.B3 416.56,390.35 ; D112.B3 417.37,391.16 ; D116.A11 323.39,396.24 ; D116.A11 322.58,395.43 ; D116.A11 321.77,396.24 ; D116.A11 322.58,397.05 ; 164.29,381 D431.B15 ; D431.B15 165.91,381 ; D431.B15 165.1,380.19 ; D431.B15 165.1,381.81 ; 198.12,39.83 D120.B16 ; D120.B16 197.31,40.64 ; D120.B16 198.93,40.64 ; D120.B16 198.12,41.45 ; D109.A16 384.35,332.74 ; D109.A16 383.54,331.93 ; D109.A16 382.73,332.74 ; D109.A16 383.54,333.55 ; 327.66,88.19 D301.B9 ; D301.B9 328.37,88.9 ; D301.B9 327.66,89.61 ; D301.B9 326.95,88.9 ; D131.A14 119.38,56.69 ; D131.A14 118.57,55.88 ; D131.A14 120.19,55.88 ; D131.A14 119.38,55.07 ; D111.A14 388.62,374.19 ; D111.A14 387.81,373.38 ; D111.A14 388.62,372.57 ; D111.A14 389.43,373.38 ; D113.B4 340.36,328.47 ; D113.B4 340.36,326.85 ; D113.B4 339.55,327.66 ; D113.B4 341.17,327.66 ; SITE4.G10 331.81,187.93 ; SITE4.G10 330.85,187.93 ; SITE4.G10 331.33,187.45 ; SITE4.G10 331.33,188.41 ; D109.B13 391.97,330.2 ; D109.B13 390.35,330.2 ; D109.B13 391.16,329.39 ; D109.B13 391.16,331.01 ; D131.A10 109.22,56.69 ; D131.A10 110.03,55.88 ; D131.A10 108.41,55.88 ; D131.A10 109.22,55.07 ; CSDPS229.B6 187.96,333.55 ; CSDPS229.B6 187.96,331.93 ; CSDPS229.B6 187.15,332.74 ; CSDPS229.B6 188.77,332.74 ; 335.28,75.39 D102.A12 ; D102.A12 334.47,76.2 ; D102.A12 336.09,76.2 ; D102.A12 335.28,77.01 ; D302.A7 323.29,63.5 ; D302.A7 322.58,62.79 ; D302.A7 321.87,63.5 ; D302.A7 322.58,64.21 ; 241.3,80.47 D122.B4 ; D122.B4 242.11,81.28 ; D122.B4 241.3,82.09 ; D122.B4 240.49,81.28 ; D302.B1 307.34,69.29 ; D302.B1 307.34,67.87 ; D302.B1 306.63,68.58 ; D302.B1 308.05,68.58 ; 339.55,40.64 D104.B14 ; D104.B14 340.36,39.83 ; D104.B14 341.17,40.64 ; D104.B14 340.36,41.45 ; 189.69,340.36 CSDPS429.C5 ; CSDPS429.C5 190.5,339.55 ; CSDPS429.C5 190.5,341.17 ; CSDPS429.C5 191.31,340.36 ; 312.42,390.35 D116.B15 ; D116.B15 312.42,391.97 ; D116.B15 311.61,391.16 ; D116.B15 313.23,391.16 ; D132.B13 116.84,38.91 ; D132.B13 116.84,37.29 ; D132.B13 116.03,38.1 ; D132.B13 117.65,38.1 ; D231.B7 186.23,370.84 ; D231.B7 185.42,371.65 ; D231.B7 184.61,370.84 ; D231.B7 185.42,370.03 ; D109.A9 401.32,336.09 ; D109.A9 401.32,334.47 ; D109.A9 402.13,335.28 ; D109.A9 400.51,335.28 ; D102.B2 309.88,82.09 ; D102.B2 309.88,80.47 ; D102.B2 309.07,81.28 ; D102.B2 310.69,81.28 ; D112.A15 386.89,396.24 ; D112.A15 386.08,395.43 ; D112.A15 385.27,396.24 ; D112.A15 386.08,397.05 ; 410.67,38.1 D108.B13 ; D108.B13 411.48,38.91 ; D108.B13 411.48,37.29 ; D108.B13 412.29,38.1 ; D231.A7 185.42,376.73 ; D231.A7 186.23,375.92 ; D231.A7 185.42,375.11 ; D231.A7 184.61,375.92 ; SITE1.G12 253.33,248.41 ; SITE1.G12 252.85,247.93 ; SITE1.G12 253.81,247.93 ; SITE1.G12 253.33,247.45 ; 251.46,85.65 D321.A8 ; D321.A8 251.46,87.07 ; D321.A8 250.75,86.36 ; D321.A8 252.17,86.36 ; D301.B6 320.75,91.44 ; D301.B6 320.04,92.15 ; D301.B6 319.33,91.44 ; D301.B6 320.04,90.73 ; D302.A3 312.42,64.21 ; D302.A3 311.71,63.5 ; D302.A3 312.42,62.79 ; D302.A3 313.13,63.5 ; 395.53,68.58 D306.B7 ; D306.B7 396.24,67.87 ; D306.B7 396.24,69.29 ; D306.B7 396.95,68.58 ; 410.67,330.2 D109.B5 ; D109.B5 411.48,331.01 ; D109.B5 412.29,330.2 ; D109.B5 411.48,329.39 ; D306.A16 419.1,66.75 ; D306.A16 419.1,65.33 ; D306.A16 419.81,66.04 ; D306.A16 418.39,66.04 ; D130.B14 120.19,81.28 ; D130.B14 118.57,81.28 ; D130.B14 119.38,80.47 ; D130.B14 119.38,82.09 ; D122.A12 261.62,77.01 ; D122.A12 261.62,75.39 ; D122.A12 262.43,76.2 ; D122.A12 260.81,76.2 ; 83.31,208.1 S3_I2C.4 ; S3_I2C.4 83.31,209.98 ; S3_I2C.4 84.25,209.04 ; D131.B5 96.52,59.23 ; D131.B5 97.33,58.42 ; D131.B5 95.71,58.42 ; D131.B5 96.52,57.61 ; CSDPS425.C9 254,341.17 ; CSDPS425.C9 253.19,340.36 ; CSDPS425.C9 254.81,340.36 ; CSDPS425.C9 254,339.55 ; 264.16,37.29 D124.B13 ; D124.B13 264.97,38.1 ; D124.B13 264.16,38.91 ; D124.B13 263.35,38.1 ; D103.A11 332.74,54.15 ; D103.A11 333.55,53.34 ; D103.A11 331.93,53.34 ; D103.A11 332.74,52.53 ; SITE2.G3 330.81,241.33 ; SITE2.G3 330.33,240.85 ; SITE2.G3 330.33,241.81 ; SITE2.G3 329.85,241.33 ; CSDPS225.B2 271.78,333.55 ; CSDPS225.B2 271.78,331.93 ; CSDPS225.B2 270.97,332.74 ; CSDPS225.B2 272.59,332.74 ; D127.A8 31.29,55.88 ; D127.A8 30.48,55.07 ; D127.A8 30.48,56.69 ; D127.A8 29.67,55.88 ; 413.21,40.64 D108.B14 ; D108.B14 414.02,39.83 ; D108.B14 414.02,41.45 ; D108.B14 414.83,40.64 ; D107.B5 391.16,59.23 ; D107.B5 391.16,57.61 ; D107.B5 390.35,58.42 ; D107.B5 391.97,58.42 ; 39.83,101.6 D125.B12 ; D125.B12 41.45,101.6 ; D125.B12 40.64,100.79 ; D125.B12 40.64,102.41 ; D128.B15 48.26,38.91 ; D128.B15 48.26,37.29 ; D128.B15 49.07,38.1 ; D128.B15 47.45,38.1 ; D126.B5 23.67,78.74 ; D126.B5 22.05,78.74 ; D126.B5 22.86,79.55 ; D126.B5 22.86,77.93 ; 111.76,32.21 D132.A11 ; D132.A11 111.76,33.83 ; D132.A11 110.95,33.02 ; D132.A11 112.57,33.02 ; D112.A5 412.29,396.24 ; D112.A5 410.67,396.24 ; D112.A5 411.48,395.43 ; D112.A5 411.48,397.05 ; 410.67,33.02 D108.A13 ; D108.A13 412.29,33.02 ; D108.A13 411.48,33.83 ; D108.A13 411.48,32.21 ; D111.B7 407.21,370.84 ; D111.B7 406.4,370.03 ; D111.B7 406.4,371.65 ; D111.B7 405.59,370.84 ; D122.B7 248.92,79.55 ; D122.B7 249.73,78.74 ; D122.B7 248.92,77.93 ; D122.B7 248.11,78.74 ; D129.A6 99.06,97.33 ; D129.A6 98.25,96.52 ; D129.A6 99.87,96.52 ; D129.A6 99.06,95.71 ; D305.B5 391.16,89.61 ; D305.B5 391.16,88.19 ; D305.B5 391.87,88.9 ; D305.B5 390.45,88.9 ; 270.97,76.2 D122.A16 ; D122.A16 271.78,75.39 ; D122.A16 271.78,77.01 ; D122.A16 272.59,76.2 ; 15.24,75.39 D126.A2 ; D126.A2 14.43,76.2 ; D126.A2 16.05,76.2 ; D126.A2 15.24,77.01 ; D125.B6 26.21,101.6 ; D125.B6 25.4,102.41 ; D125.B6 25.4,100.79 ; D125.B6 24.59,101.6 ; 345.44,392.89 D116.A2 ; D116.A2 345.44,394.51 ; D116.A2 346.25,393.7 ; D116.A2 344.63,393.7 ; 307.34,32.21 D104.A1 ; D104.A1 307.34,33.83 ; D104.A1 308.15,33.02 ; D104.A1 306.53,33.02 ; 249.85,247.93 SITE1.G9 ; SITE1.G9 250.81,247.93 ; SITE1.G9 250.33,247.45 ; SITE1.G9 250.33,248.41 ; D103.A7 323.39,53.34 ; D103.A7 321.77,53.34 ; D103.A7 322.58,54.15 ; D103.A7 322.58,52.53 ; CSDPS225.C3 269.24,331.01 ; CSDPS225.C3 270.05,330.2 ; CSDPS225.C3 269.24,329.39 ; CSDPS225.C3 268.43,330.2 ; CSDPS425.B14 242.11,342.9 ; CSDPS425.B14 241.3,343.71 ; CSDPS425.B14 240.49,342.9 ; CSDPS425.B14 241.3,342.09 ; 320.04,372.57 D115.A12 ; D115.A12 320.85,373.38 ; D115.A12 320.04,374.19 ; D115.A12 319.23,373.38 ; D112.B4 414.02,389.43 ; D112.B4 413.21,388.62 ; D112.B4 414.02,387.81 ; D112.B4 414.83,388.62 ; 330.2,70.41 D302.B10 ; D302.B10 329.49,71.12 ; D302.B10 330.91,71.12 ; D302.B10 330.2,71.83 ; 325.12,352.25 D114.A10 ; D114.A10 324.31,353.06 ; D114.A10 325.12,353.87 ; D114.A10 325.93,353.06 ; D106.A16 419.91,76.2 ; D106.A16 419.1,75.39 ; D106.A16 419.1,77.01 ; D106.A16 418.29,76.2 ; 316.69,350.52 D114.B13 ; D114.B13 317.5,349.71 ; D114.B13 318.31,350.52 ; D114.B13 317.5,351.33 ; 345.44,387.81 D116.B2 ; D116.B2 344.63,388.62 ; D116.B2 345.44,389.43 ; D116.B2 346.25,388.62 ; UNK4U1.4 482.59,186.05 ; UNK4U1.4 481.65,185.11 ; UNK4U1.4 483.53,185.11 ; UNK4U1.4 482.59,184.17 ; 321.77,58.42 D103.B7 ; D103.B7 322.58,59.23 ; D103.B7 323.39,58.42 ; D103.B7 322.58,57.61 ; 38.1,37.29 D128.B11 ; D128.B11 37.29,38.1 ; D128.B11 38.1,38.91 ; D128.B11 38.91,38.1 ; D110.B5 412.29,350.52 ; D110.B5 411.48,349.71 ; D110.B5 411.48,351.33 ; D110.B5 410.67,350.52 ; 325.12,85.65 D301.A8 ; D301.A8 324.41,86.36 ; D301.A8 325.12,87.07 ; D301.A8 325.83,86.36 ; D111.B15 386.08,371.65 ; D111.B15 386.08,370.03 ; D111.B15 385.27,370.84 ; D111.B15 386.89,370.84 ; 167.64,55.07 D119.A4 ; D119.A4 168.45,55.88 ; D119.A4 166.83,55.88 ; D119.A4 167.64,56.69 ; 268.43,58.42 D123.B15 ; D123.B15 269.24,57.61 ; D123.B15 270.05,58.42 ; D123.B15 269.24,59.23 ; 252.33,240.85 SITE1.G5 ; SITE1.G5 252.81,241.33 ; SITE1.G5 251.85,241.33 ; SITE1.G5 252.33,241.81 ; 390.45,63.5 D306.A5 ; D306.A5 391.16,64.21 ; D306.A5 391.87,63.5 ; SITE1.G16 252.63,243.31 ; SITE1.G16 252.63,242.35 ; SITE1.G16 253.11,242.83 ; SITE1.G16 252.15,242.83 ; D302.B7 322.58,69.29 ; D302.B7 321.87,68.58 ; D302.B7 323.29,68.58 ; D302.B7 322.58,67.87 ; D108.B2 383.54,41.45 ; D108.B2 382.73,40.64 ; D108.B2 383.54,39.83 ; D108.B2 384.35,40.64 ; 316.69,355.6 D114.A13 ; D114.A13 317.5,354.79 ; D114.A13 318.31,355.6 ; D114.A13 317.5,356.41 ; 248.21,68.58 D322.B7 ; D322.B7 248.92,67.87 ; D322.B7 249.63,68.58 ; D322.B7 248.92,69.29 ; 187.15,35.56 D120.A12 ; D120.A12 187.96,34.75 ; D120.A12 187.96,36.37 ; D120.A12 188.77,35.56 ; D108.A4 388.62,36.37 ; D108.A4 387.81,35.56 ; D108.A4 388.62,34.75 ; D108.A4 389.43,35.56 ; 266.7,85.65 D321.A14 ; D321.A14 267.41,86.36 ; D321.A14 265.99,86.36 ; D321.A14 266.7,87.07 ; D112.A3 417.37,396.24 ; D112.A3 415.75,396.24 ; D112.A3 416.56,397.05 ; D112.A3 416.56,395.43 ; CSDPS225.C15 239.57,330.2 ; CSDPS225.C15 238.76,329.39 ; CSDPS225.C15 237.95,330.2 ; CSDPS225.C15 238.76,331.01 ; D102.A6 320.85,76.2 ; D102.A6 320.04,75.39 ; D102.A6 320.04,77.01 ; D102.A6 319.23,76.2 ; D118.B10 182.88,82.09 ; D118.B10 183.69,81.28 ; D118.B10 182.07,81.28 ; D118.B10 182.88,80.47 ; D306.A7 396.95,63.5 ; D306.A7 395.53,63.5 ; D306.A7 396.24,64.21 ; SITE3.G1 248.81,181.33 ; SITE3.G1 247.85,181.33 ; SITE3.G1 248.33,181.81 ; SITE3.G1 248.33,180.85 ; 344.63,347.98 D114.B2 ; D114.B2 345.44,347.17 ; D114.B2 345.44,348.79 ; D114.B2 346.25,347.98 ; D322.A4 241.3,66.75 ; D322.A4 240.59,66.04 ; D322.A4 241.3,65.33 ; D322.A4 242.01,66.04 ; D317.A6 173.43,86.36 ; D317.A6 172.01,86.36 ; D317.A6 172.72,87.07 ; D317.A6 172.72,85.65 ; 253.29,83.82 D321.A9 ; D321.A9 254.71,83.82 ; D321.A9 254,83.11 ; D321.A9 254,84.53 ; 96.52,37.29 D132.B5 ; D132.B5 97.33,38.1 ; D132.B5 95.71,38.1 ; D132.B5 96.52,38.91 ; D128.B3 18.59,38.1 ; D128.B3 17.78,38.91 ; D128.B3 17.78,37.29 ; D128.B3 16.97,38.1 ; 198.12,372.57 D231.A2 ; D231.A2 198.12,374.19 ; D231.A2 198.93,373.38 ; D231.A2 197.31,373.38 ; D116.A16 310.69,393.7 ; D116.A16 309.07,393.7 ; D116.A16 309.88,392.89 ; D116.A16 309.88,394.51 ; D125.A11 38.91,93.98 ; D125.A11 38.1,93.17 ; D125.A11 37.29,93.98 ; D125.A11 38.1,94.79 ; D118.A15 196.39,73.66 ; D118.A15 194.77,73.66 ; D118.A15 195.58,74.47 ; D118.A15 195.58,72.85 ; 419.1,80.47 D106.B16 ; D106.B16 419.91,81.28 ; D106.B16 419.1,82.09 ; D106.B16 418.29,81.28 ; D125.A3 17.78,94.79 ; D125.A3 18.59,93.98 ; D125.A3 16.97,93.98 ; D125.A3 17.78,93.17 ; D115.B10 325.93,368.3 ; D115.B10 325.12,367.49 ; D115.B10 325.12,369.11 ; D115.B10 324.31,368.3 ; 193.04,39.83 D120.B14 ; D120.B14 192.23,40.64 ; D120.B14 193.04,41.45 ; D120.B14 193.85,40.64 ; 189.79,68.58 D318.B13 ; D318.B13 191.21,68.58 ; D318.B13 190.5,67.87 ; D318.B13 190.5,69.29 ; 199.85,381 D431.B1 ; D431.B1 201.47,381 ; D431.B1 200.66,381.81 ; D431.B1 200.66,380.19 ; D317.B9 180.34,89.61 ; D317.B9 181.05,88.9 ; D317.B9 180.34,88.19 ; D317.B9 179.63,88.9 ; D124.B9 254.81,38.1 ; D124.B9 253.19,38.1 ; D124.B9 254,37.29 ; D124.B9 254,38.91 ; D108.A3 386.89,33.02 ; D108.A3 386.08,33.83 ; D108.A3 385.27,33.02 ; D108.A3 386.08,32.21 ; 113.49,60.96 D131.B12 ; D131.B12 114.3,60.15 ; D131.B12 114.3,61.77 ; D131.B12 115.11,60.96 ; D301.A10 330.91,86.36 ; D301.A10 330.2,85.65 ; D301.A10 330.2,87.07 ; D301.A10 329.49,86.36 ; 256.54,85.65 D321.A10 ; D321.A10 255.83,86.36 ; D321.A10 256.54,87.07 ; D321.A10 257.25,86.36 ; D114.A9 328.47,355.6 ; D114.A9 326.85,355.6 ; D114.A9 327.66,354.79 ; D114.A9 327.66,356.41 ; D102.B14 341.17,81.28 ; D102.B14 339.55,81.28 ; D102.B14 340.36,82.09 ; D102.B14 340.36,80.47 ; 320.04,70.41 D302.B6 ; D302.B6 320.04,71.83 ; D302.B6 320.75,71.12 ; D302.B6 319.33,71.12 ; D301.B4 315.67,91.44 ; D301.B4 314.96,92.15 ; D301.B4 314.25,91.44 ; D301.B4 314.96,90.73 ; D127.B4 20.32,61.77 ; D127.B4 21.13,60.96 ; D127.B4 20.32,60.15 ; D127.B4 19.51,60.96 ; 45.72,55.07 D127.A14 ; D127.A14 44.91,55.88 ; D127.A14 46.53,55.88 ; D127.A14 45.72,56.69 ; D122.B11 259.08,79.55 ; D122.B11 258.27,78.74 ; D122.B11 259.89,78.74 ; D122.B11 259.08,77.93 ; 337.82,354.79 D114.A5 ; D114.A5 337.01,355.6 ; D114.A5 338.63,355.6 ; D114.A5 337.82,356.41 ; 314.96,372.57 D115.A14 ; D115.A14 314.96,374.19 ; D115.A14 315.77,373.38 ; D115.A14 314.15,373.38 ; D107.B9 402.13,58.42 ; D107.B9 400.51,58.42 ; D107.B9 401.32,59.23 ; D107.B9 401.32,57.61 ; 194.77,330.2 CSDPS229.C3 ; CSDPS229.C3 195.58,331.01 ; CSDPS229.C3 195.58,329.39 ; CSDPS229.C3 196.39,330.2 ; D115.A13 318.31,375.92 ; D115.A13 316.69,375.92 ; D115.A13 317.5,376.73 ; D115.A13 317.5,375.11 ; D302.B8 325.12,71.83 ; D302.B8 325.12,70.41 ; D302.B8 325.83,71.12 ; D302.B8 324.41,71.12 ; D116.B13 317.5,391.97 ; D116.B13 316.69,391.16 ; D116.B13 318.31,391.16 ; D116.B13 317.5,390.35 ; 339.55,373.38 D115.A4 ; D115.A4 340.36,374.19 ; D115.A4 340.36,372.57 ; D115.A4 341.17,373.38 ; D431.A2 198.12,384.35 ; D431.A2 198.93,383.54 ; D431.A2 197.31,383.54 ; D431.A2 198.12,382.73 ; D111.A11 397.05,375.92 ; D111.A11 396.24,375.11 ; D111.A11 395.43,375.92 ; D111.A11 396.24,376.73 ; 317.5,88.19 D301.B5 ; D301.B5 317.5,89.61 ; D301.B5 316.79,88.9 ; D301.B5 318.21,88.9 ; D115.A7 333.55,375.92 ; D115.A7 332.74,375.11 ; D115.A7 331.93,375.92 ; D115.A7 332.74,376.73 ; 246.38,60.15 D123.B6 ; D123.B6 246.38,61.77 ; D123.B6 247.19,60.96 ; D123.B6 245.57,60.96 ; D126.A1 12.7,74.47 ; D126.A1 13.51,73.66 ; D126.A1 12.7,72.85 ; D126.A1 11.89,73.66 ; D122.A10 257.35,76.2 ; D122.A10 255.73,76.2 ; D122.A10 256.54,75.39 ; D122.A10 256.54,77.01 ; D302.A4 315.67,66.04 ; D302.A4 314.25,66.04 ; D302.A4 314.96,65.33 ; D302.A4 314.96,66.75 ; D123.B14 267.51,60.96 ; D123.B14 266.7,61.77 ; D123.B14 265.89,60.96 ; D123.B14 266.7,60.15 ; D129.B15 121.92,99.87 ; D129.B15 121.11,99.06 ; D129.B15 121.92,98.25 ; D129.B15 122.73,99.06 ; D115.A5 338.63,375.92 ; D115.A5 337.82,376.73 ; D115.A5 337.82,375.11 ; D115.A5 337.01,375.92 ; CSDPS429.C1 201.47,340.36 ; CSDPS429.C1 200.66,341.17 ; CSDPS429.C1 200.66,339.55 ; CSDPS429.C1 199.85,340.36 ; 172.72,55.07 D119.A6 ; D119.A6 172.72,56.69 ; D119.A6 173.53,55.88 ; D119.A6 171.91,55.88 ; D104.A3 312.42,33.83 ; D104.A3 312.42,32.21 ; D104.A3 311.61,33.02 ; D104.A3 313.23,33.02 ; 160.02,67.87 D318.B1 ; D318.B1 160.02,69.29 ; D318.B1 159.31,68.58 ; D318.B1 160.73,68.58 ; SITE3.G15 251.43,183.31 ; SITE3.G15 251.91,182.83 ; SITE3.G15 250.95,182.83 ; SITE3.G15 251.43,182.35 ; D301.B1 307.34,89.61 ; D301.B1 308.05,88.9 ; D301.B1 307.34,88.19 ; D301.B1 306.63,88.9 ; D305.A4 389.33,86.36 ; D305.A4 388.62,87.07 ; D305.A4 387.91,86.36 ; D305.A4 388.62,85.65 ; 40.64,34.75 D128.A12 ; D128.A12 39.83,35.56 ; D128.A12 41.45,35.56 ; D128.A12 40.64,36.37 ; D106.B9 402.13,78.74 ; D106.B9 400.51,78.74 ; D106.B9 401.32,79.55 ; D106.B9 401.32,77.93 ; 39.83,55.88 D127.A12 ; D127.A12 40.64,55.07 ; D127.A12 40.64,56.69 ; D127.A12 41.45,55.88 ; D431.A12 173.53,383.54 ; D431.A12 171.91,383.54 ; D431.A12 172.72,382.73 ; D431.A12 172.72,384.35 ; D231.B16 162.56,369.11 ; D231.B16 162.56,367.49 ; D231.B16 163.37,368.3 ; D231.B16 161.75,368.3 ; 40.64,39.83 D128.B12 ; D128.B12 41.45,40.64 ; D128.B12 39.83,40.64 ; D128.B12 40.64,41.45 ; 390.45,83.82 D305.A5 ; D305.A5 391.87,83.82 ; D305.A5 391.16,83.11 ; D305.A5 391.16,84.53 ; 37.29,78.74 D126.B11 ; D126.B11 38.91,78.74 ; D126.B11 38.1,77.93 ; D126.B11 38.1,79.55 ; 161.75,81.28 D118.B2 ; D118.B2 162.56,82.09 ; D118.B2 162.56,80.47 ; D118.B2 163.37,81.28 ; 19.51,101.6 D125.B4 ; D125.B4 20.32,100.79 ; D125.B4 20.32,102.41 ; D125.B4 21.13,101.6 ; 387.81,388.62 D112.B14 ; D112.B14 389.43,388.62 ; D112.B14 388.62,387.81 ; D112.B14 388.62,389.43 ; 309.88,75.39 D102.A2 ; D102.A2 309.07,76.2 ; D102.A2 309.88,77.01 ; D102.A2 310.69,76.2 ; 392.89,60.96 D107.B6 ; D107.B6 394.51,60.96 ; D107.B6 393.7,61.77 ; D107.B6 393.7,60.15 ; SITE4.G2 329.81,181.33 ; SITE4.G2 328.85,181.33 ; SITE4.G2 329.33,181.81 ; SITE4.G2 329.33,180.85 ; 232.97,88.9 D321.B1 ; D321.B1 233.68,88.19 ; D321.B1 233.68,89.61 ; D321.B1 234.39,88.9 ; 165.1,32.21 D120.A3 ; D120.A3 165.1,33.83 ; D120.A3 164.29,33.02 ; D120.A3 165.91,33.02 ; 327.66,390.35 D116.B9 ; D116.B9 326.85,391.16 ; D116.B9 327.66,391.97 ; D116.B9 328.47,391.16 ; 344.73,71.12 D302.B16 ; D302.B16 345.44,70.41 ; D302.B16 346.15,71.12 ; 418.29,368.3 D111.B2 ; D111.B2 419.1,369.11 ; D111.B2 419.91,368.3 ; D111.B2 419.1,367.49 ; 187.15,383.54 D431.A6 ; D431.A6 187.96,382.73 ; D431.A6 188.77,383.54 ; D431.A6 187.96,384.35 ; D317.A8 177.8,87.07 ; D317.A8 177.09,86.36 ; D317.A8 177.8,85.65 ; D317.A8 178.51,86.36 ; 260.91,91.44 D321.B12 ; D321.B12 261.62,92.15 ; D321.B12 261.62,90.73 ; D321.B12 262.33,91.44 ; D128.A13 43.99,33.02 ; D128.A13 42.37,33.02 ; D128.A13 43.18,33.83 ; D128.A13 43.18,32.21 ; 190.5,380.19 D431.B5 ; D431.B5 191.31,381 ; D431.B5 189.69,381 ; D431.B5 190.5,381.81 ; 255.73,35.56 D124.A10 ; D124.A10 256.54,34.75 ; D124.A10 256.54,36.37 ; D124.A10 257.35,35.56 ; D321.A11 259.79,83.82 ; D321.A11 259.08,84.53 